# Altium PCB NewBoard.PcbDoc (part 2 of 3) (continued)
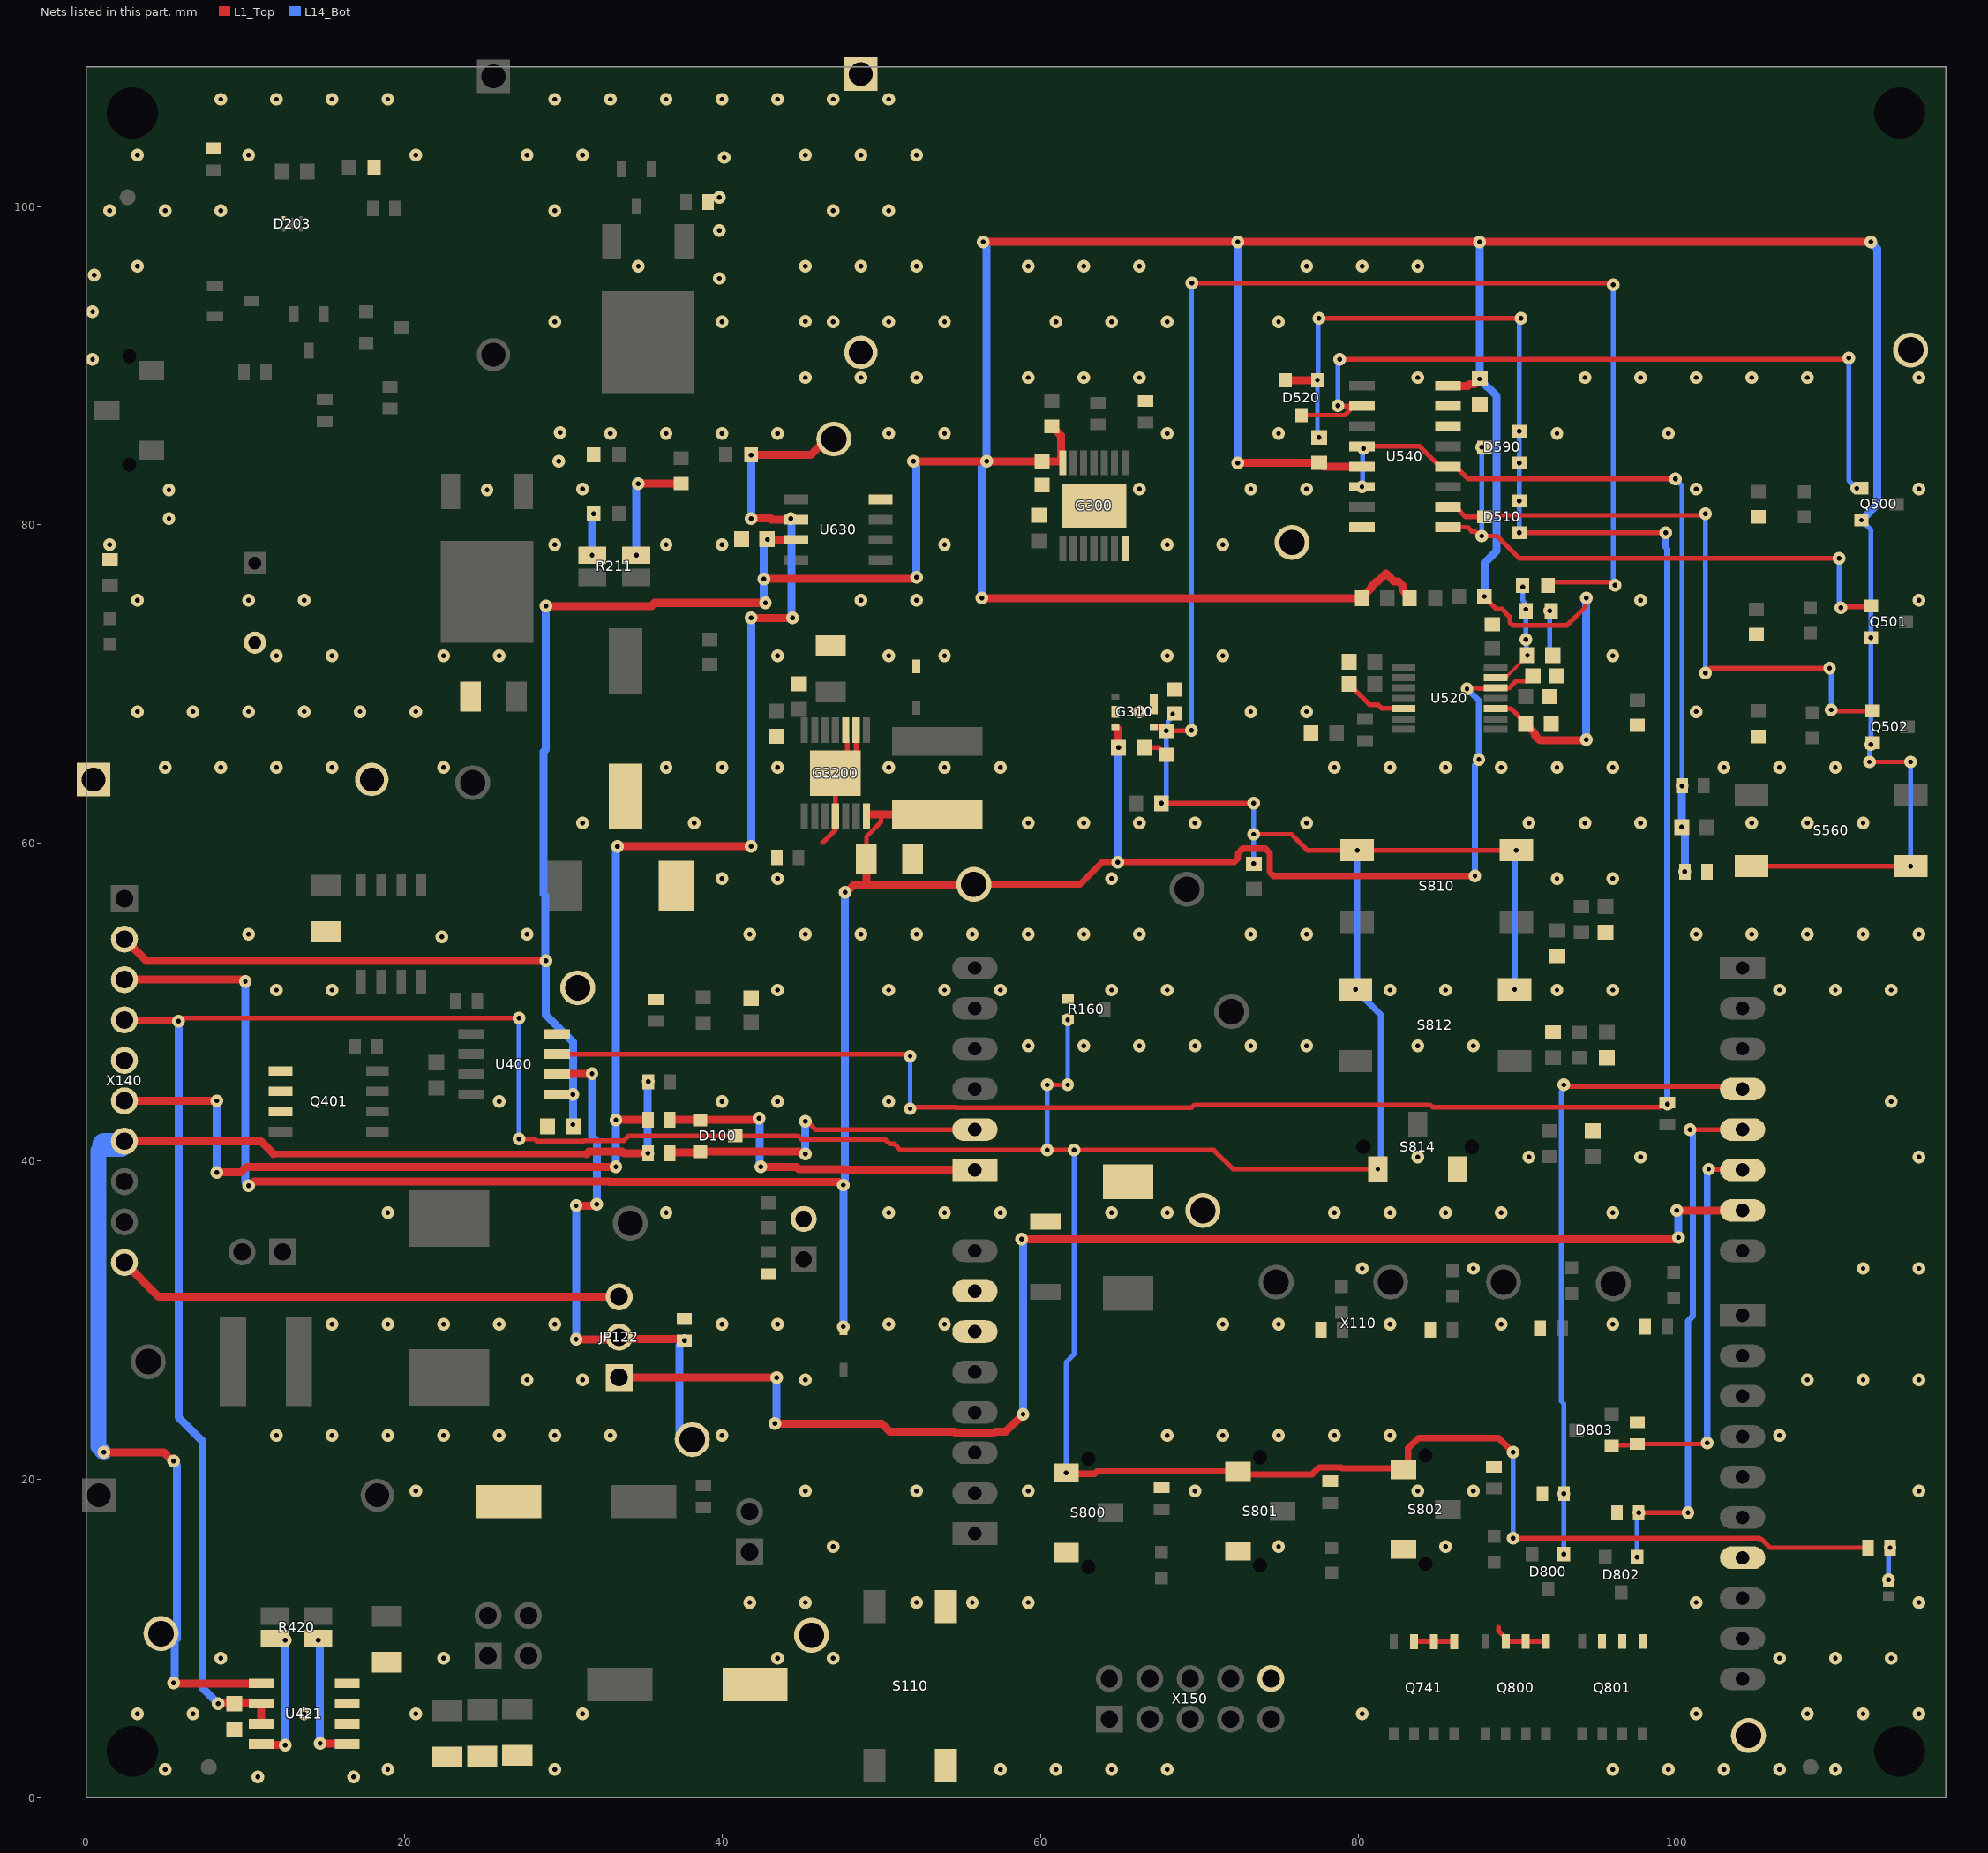
[diagram p2: the nets of this part, all layers, seen from the top]
## Part data (continued)
U421: library part 687895, "Precision bidirectional current sense amplifier", Manufacturer=STMicroelectronics, Package Description="SOIC,1.27mm pitch;8 pin,3.90mm W X 4.90mm L X 1.75mm H body", Supplier Part Number 1=3864633RL, Temperature max=150, Temperature min=-40, Temperature Range=Automotive, Voltage DC (max)=na, Alternate View=No, Application="Power Electronics", Article Number=687895, Automotive Qualified="AEC Q100", Combined Parameters=Res.:-;Fmax:-, ComponentLink1Description="Vendor WebSite", ComponentLink1URL=http://www.st.com, ComponentLink2Description=Datasheet, ComponentLink2URL=http://webnetprod.muc.infineon.com/PCBPortal_Prod/WorkFlows/AltiumComponent/StandardDocumentation?Versionid=687896, ComponentStatus=Released, Legacy DeviceID=ST_TSC2010HYDT, Manufacturer Order Number=TSC2010HYDT, Multiple Parts=No, PackageReference=SOIC-8, Part Type="Analog Parts", PLMStatus=Active, QuickPick="Amplifier / SOIC-8", RoHS Compliant=Y, Second Source allowed=Yes, Supplier 1=Farnell, Supplier 2=DigiKey, Supplier 3=Mouser, Supplier Part Number 2=497-TSC2010HYDTCT-ND, Supplier Part Number 3=511-TSC2010HYDT, Symbole Type="High Temperature, High Voltage, Precision, Bidirectional Current Sense Amplifier", Type=Amplifier, Version Number=V00
U520: library part 409035, "Quad Differential Comparator", Legacy PartNumber=IC02600564, Manufacturer="Texas Instruments", Supplier Part Number 1=2436009, Temperature max=0, Temperature Range=Military, Voltage DC (max)=na, Alternate View=Yes, Article Number=409035, Automotive Qualified=No, Combined Parameters=Res.:-;Fmax:-, ComponentLink1Description="Vendor WebSite", ComponentLink1URL=http://www.ti.com, ComponentLink2Description=Datasheet, ComponentLink2URL=http://webnetprod.muc.infineon.com/PCBPortal_Prod/WorkFlows/AltiumComponent/StandardDocumentation?Versionid=409036, ComponentStatus=Released, Legacy DeviceID=TI_LM339, Manufacturer Order Number=LM339PWR, PackageReference="TSSOP-14 (PW)", Part Type="Analog Parts", PLMStatus=Active, QuickPick="TSSOP-14 (PW)", Second Source allowed=Yes, Supplier 1=Farnell, Supplier 2=DigiKey, Supplier 3=Mouser, Supplier Part Number 2=296-6607-2-ND, Supplier Part Number 3=595-LM339PWR, Symbol Type="Quad Differential Comparator", Temperature min=0, Version Number=V01
U540: library part 648079, "Quad R/S latch with 3-state outputs", Manufacturer=Nexperia, Package Description="SOIC,1.27mm pitch;16 pin,3.90mm W X 9.90mm L X 1.75mm H body", Temperature max=85, Temperature min=-40, Temperature Range=Industrial, Voltage DC (max)=na, Alternate View=No, Article Number=648079, Automotive Qualified=No, Combined Parameters="- Digital;Vdc min/max:3V/15V;Iout:2.4mA;Fmax:-", ComponentLink1Description="Vendor WebSite", ComponentLink1URL=http://www.nexperia.com, ComponentLink2Description=Datasheet, ComponentLink2URL=http://webnetprod.muc.infineon.com/PCBPortal_Prod/WorkFlows/AltiumComponent/StandardDocumentation?Versionid=648080, ComponentStatus=Released, Legacy DeviceID=NEX_HEF4043BT,653, Manufacturer Order Number=HEF4043BT,653, Multiple Parts=No, PackageReference=SO-16, Part Type="Integrated Circuit", PLMStatus=Active, QuickPick=SO-16, RoHS Compliant=Y, Second Source allowed=Yes, Supplier 1=Farnell, Supplier 2=DigiKey, Supplier 3=Mouser, Supplier Part Number 2=1727-1799-1-ND, Supplier Part Number 3=771-HEF4043BT653, Symbol Type="Quad R/S latch with 3-state outputs", Type=Digital, Version Number=V00
U630: library part 699374, Manufacturer="Texas Instruments", Package Description="SOIC,1.27mm pitch;8 pin,3.895mm W X 4.905mm L X 1.75mm H body", Supplier Part Number 1=3117357, Temperature max=125, Temperature min=-40, Temperature Range=Automotive, Voltage DC (max)=na, Alternate View=Yes, Application="Power Electronics", Article Number=699374, Automotive Qualified=No, Combined Parameters=Res.:-;Fmax:10MHz, ComponentLink1Description="Vendor WebSite", ComponentLink1URL=http://www.ti.com, ComponentLink2Description=Datasheet, ComponentLink2URL=http://webnetprod.muc.infineon.com/PCBPortal_Prod/WorkFlows/AltiumComponent/StandardDocumentation?Versionid=699375, ComponentStatus=Released, Legacy DeviceID=TI_OPA197IDR, Manufacturer Order Number=OPA197IDR, Multiple Parts=Yes, PackageReference=SOIC, Part Type="Analog Parts", PLMStatus=Active, QuickPick="Amplifier / SOIC", RoHS Compliant=Y, Second Source allowed=Yes, Supplier 1=Farnell, Supplier 2=DigiKey, Supplier 3=Mouser, Supplier Part Number 2=296-43866-1-ND, Supplier Part Number 3=595-OPA197IDR, Symbol Type="High-Precision, Low-Noise, Rail-to-Rail Output, JFET Op Amp", Type=Amplifier, Version Number=V00
X100 X102: library part 377341, "Banana Socket, Red, 17.5mm Pitch", Legacy PartNumber=CON01500041, Manufacturer="Hirschmann Test & Measurement", Manufacturer Component Status=Active, Package Description="Banana Jack, 2 pins, 17.5mm Pitch, 21mm L X 7.5mm W X 10.5mm H body", Supplier Part Number 1=497332, Temperature max=85, Temperature min=-25, Temperature Range=Military, Voltage DC (max)=na, Article Number=377341, Combined Parameters="Board-to-Cable Socket (female);2x1;Mounting:THT;Orient:90° (right angle);Shielded:No", ComponentLink1Description="Vendor WebSite", ComponentLink1URL=http://www.sks-kontakt.de/, ComponentLink2Description=Datasheet, ComponentLink2URL=http://webnetprod.muc.infineon.com/PCBPortal_Prod/WorkFlows/AltiumComponent/StandardDocumentation?Versionid=377342, ComponentStatus=Released, Legacy DeviceID="HTM_973 582- 101", Manufacturer Order Number="973 582-101", Part Type=Connector, PLMStatus=Active, QuickPick="90° (right angle) / Board-to-Cable", RoHS Compliant=N, Second Source allowed=Yes, Style=Banana, Supplier 1=Farnell, Supplier 2=DigiKey, Supplier 3=Mouser, Supplier Part Number 3=845-973582101, Symbol Type="Banana Socket 2 Pins", Type=Board-to-Cable, Version Number=V01
X101 X103: library part 377401, "Banana Socket, black, 17.5mm Pitch", Legacy PartNumber=CON01500045, Manufacturer="Hirschmann Test & Measurement", Manufacturer Component Status=Active, Package Description="Banana Jack, 2 pins, 17.5mm Pitch, 21mm L X 7.5mm W X 10.5mm H body", Supplier Part Number 1=497344, Temperature max=85, Temperature min=-25, Temperature Range=Military, Voltage DC (max)=na, Article Number=377401, Automotive Qualified=No, Combined Parameters="Board-to-Cable Socket (female);-x-;Mounting:THT;Orient:90° (right angle);Shielded:No", ComponentLink1Description="Vendor WebSite", ComponentLink1URL=http://www.sks-kontakt.de/, ComponentLink2Description=Datasheet, ComponentLink2URL=http://webnetprod.muc.infineon.com/PCBPortal_Prod/WorkFlows/AltiumComponent/StandardDocumentation?Versionid=377402, ComponentStatus=Released, Legacy DeviceID="HTM_973 582- 100", Manufacturer Order Number="973 582-100", Part Type=Connector, PLMStatus=Active, QuickPick="90° (right angle) / Board-to-Cable", RoHS Compliant=N, Second Source allowed=Yes, Style=Banana, Supplier 1=Farnell, Supplier 2=DigiKey, Supplier 3=Mouser, Supplier Part Number 3=845-973582100, Symbol Type="Banana Socket 2 Pins", Type=Board-to-Cable, Version Number=V01
X105: library part 433601, Legacy PartNumber=CON01500959, Manufacturer="Infineon Technologies", Package Description="Solder Bridge 2 Pins, 0.7X1.299mm Pad, 1.6mm L X 1.2mm W body", Temperature max=0, Temperature Range=Military, Voltage DC (max)=na, Alternate View=Yes, Article Number=433601, Automotive Qualified=No, Combined Parameters="- None (onboard);2x1;Mounting:SMT;Orient:None (onboard);Shielded:No", ComponentLink1Description="Vendor WebSite", ComponentLink1URL=https://www.infineon.com/, ComponentLink2Description=Datasheet, ComponentStatus=Released, Legacy DeviceID="IFX_Solder Jumper 2 Pins", Manufacturer Order Number="Solder Jumper 2 Pins", Multiple Parts=No, Part Type=Connector, PLMStatus=Active, QuickPick="None (onboard)", RoHS Compliant=N, Second Source allowed=Yes, Style="Not Applicable", Supplier 1=Farnell, Supplier 2=DigiKey, Supplier 3=Mouser, Symbol Type="Solder Jumper 2 Pins", Temperature min=0, Version Number=V01
X110: library part 644888, "Arduino Uno is a microcontroller board based on the ATmega328P", Manufacturer="Infineon Technologies", Package Description="Arduino-Uno, THT, 32 Pin, 68.58 mm L X 53.34 mm W X 8.64 mm H body", Temperature max=85, Temperature min=-40, Temperature Range=Industrial, Voltage DC (max)=na, Alternate View=Yes, Article Number=644888, Automotive Qualified=No, Combined Parameters="Board-to-Board Socket (female);-x-;Mounting:THT;Orient:0° (vertical);Shielded:-", ComponentLink1Description="Vendor WebSite", ComponentLink1URL=https://www.infineon.com/, ComponentLink2Description=Datasheet, ComponentStatus=Released, Legacy DeviceID=Infineon_Arduino-Uno, Manufacturer Order Number=Arduino-Uno, Multiple Parts=Yes, PackageReference=THT, Part Type=Connector, PLMStatus=Active, QuickPick="0° (vertical) / Board-to-Board", RoHS Compliant=N, Second Source allowed=Yes, Supplier 1=Farnell, Supplier 2=DigiKey, Supplier 3=Mouser, Symbol Type="Arduino Uno is a microcontroller board based on the ATmega328P", Type=Board-to-Board, Version Number=V01
X140: library part 382944, "Through hole .025 SQ Post Header, 2.54mm pitch, 10 pin, vertical, single row", Legacy PartNumber=CON01500578, Manufacturer=Samtec, Package Description="Header,vertical,2.54mm pitch;0.64mm lead width,10 pins,1 row,10 pins per row,25.40mm L X 2.54mm W X 8.636mm H body", Supplier Part Number 1=2035612, Temperature max=125, Temperature min=-55, Temperature Range=Military, Voltage DC (max)=na, Article Number=382944, Automotive Qualified=No, Combined Parameters="Board-to-Board Header (male);10x1;Mounting:THT;Orient:0° (vertical);Shielded:No", ComponentLink1Description="Vendor WebSite", ComponentLink1URL=http://www.samtec.com/, ComponentLink2Description=Datasheet, ComponentLink2URL=http://webnetprod.muc.infineon.com/PCBPortal_Prod/WorkFlows/AltiumComponent/StandardDocumentation?Versionid=382945, ComponentStatus=Released, Legacy DeviceID=SAM_TSW-110-07-L-S, Manufacturer Order Number=TSW-110-07-L-S, Part Type=Connector, PLMStatus=Active, QuickPick="0° (vertical) / Board-to-Board", RoHS Compliant=Y, Second Source allowed=Yes, Style=Strip, Supplier 1=Farnell, Supplier 2=DigiKey, Supplier 3=Mouser, Supplier Part Number 2=SAM1031-10-ND, Symbol Type="Header 10 pins", Type=Board-to-Board, Version Number=V01
X150: library part 638630, "WR-BHD Male Box Header, 2.54mm pitch, 10 pin, Vertical, Double row", Manufacturer="Wurth Elektronik", Package Description="Connector, THT, 2.54mm Pitch; 10 Pins, 9.10 mm L X 20.36 mm W X 9.25 mm H body", Supplier Part Number 1=1642019, Temperature max=105, Temperature min=-40, Temperature Range=Industrial, Voltage DC (max)=na, Article Number=638630, Automotive Qualified=No, Combined Parameters="Board-to-Board/Cable Header (male);5x2;Mounting:THT;Orient:0° (vertical);Shielded:No", ComponentLink1Description="Vendor WebSite", ComponentLink1URL=http://www.we-online.com, ComponentLink2Description=Datasheet, ComponentLink2URL=http://webnetprod.muc.infineon.com/PCBPortal_Prod/WorkFlows/AltiumComponent/StandardDocumentation?Versionid=638631, ComponentStatus=Released, Legacy DeviceID=WE_61201021621, Manufacturer Order Number=61201021621, PackageReference=THT, Part Type=Connector, PLMStatus=Active, QuickPick="0° (vertical) / Board-to-Board/Cable", RoHS Compliant=Y, Second Source allowed=Yes, Style=Strip, Supplier 1=Farnell, Supplier 2=DigiKey, Supplier 3=Mouser, Supplier Part Number 2=732-2094-ND, Supplier Part Number 3=710-61201021621, Type=Board-to-Board/Cable, Version Number=V01
X400: library part 614137, "Through Hole .025'' SQ Post Socket, 2.54mm pitch, 2 Pins", Manufacturer=Samtec, Package Description="Header, THT, 2.54mm pitch, 2 pin, 5.59mm L X 2.41mm W X 8.64mm H body", Supplier Part Number 1=200-SSW10201GS, Temperature max=125, Temperature min=-55, Temperature Range=Military, Voltage DC (max)=na, Application="Standard Interface", Article Number=614137, Automotive Qualified=No, Combined Parameters="Board-to-Board/Cable Socket (female);2x1;Mounting:THT;Orient:0° (vertical);Shielded:Yes", ComponentLink1Description="Vendor WebSite", ComponentLink1URL=http://www.samtec.com/, ComponentLink2Description=Datasheet, ComponentLink2URL=http://webnetprod.muc.infineon.com/PCBPortal_Prod/WorkFlows/AltiumComponent/StandardDocumentation?Versionid=614138, ComponentStatus=Released, Legacy DeviceID=SAM_SSW-102-01-G-S, Manufacturer Order Number=SSW-102-01-G-S, PackageReference=THT, Part Type=Connector, PLMStatus=Active, QuickPick="0° (vertical) / Board-to-Board/Cable", RoHS Compliant=Y, Second Source allowed=Yes, Style=Strip, Supplier 1=Farnell, Supplier 2=DigiKey, Supplier 3=Mouser, Supplier Part Number 2=SAM1209-02-ND, Supplier Part Number 3=1668331, Type=Board-to-Board/Cable, Version Number=V01

## Via types
v1: diameter 0.8, hole 0.3, L1_Top to L14_Bot, tented both sides, 691 vias
v2: diameter 0.8, hole 0.2, L1_Top to L14_Bot, tented both sides, 2 vias

## Nets (pads, with @x,y where several pads share a name; then routed paths per layer and width w, separated by ;. In a path a pad name is that pad's centre, name@x,y a point inside that pad or via, vN(x,y) a via of type N, cw(c..) or ccw(c..) an arc to the next point about the centre after c; other vN are vias at no path point)
3V3: C311.2 C312.2 C401.2 D100.3 G310.4 R160.3 R170.2 R500.2 R504.2 R532.2 S800.1 S801.1 S802.1 S810.3 S810.4 S812.3 S812.4 S814.1 U421.6 U421.7 X140.4 | length 366.4
  L1_Top w0.3: v1(5.8,48.8) 5.935,48.8 6.135,49 v1(27.2,49) ; v1(27.201,41.405) 28.184,41.405 28.339,41.25 31.261,41.25 31.311,41.3 33.8,41.3 34.1,41.6 D100.3@40.8,41.6 44.752,41.6 44.982,41.37 50.23,41.37 50.5,41.1 50.8,41.1 51.2,40.7 v1(60.4,40.7) v1(62.1,40.7) 70.893,40.7 72.093,39.5 v1(81.2,39.5) ; v1(60.4,44.8) v1(61.7,44.8) ; G310.4@67.1,67.3 67.65,67.3 v1(67.9,67.05) 69.45,67.05 v1(69.487,67.087) ; v1(67.6,62.5) v1(73.4,62.5) ; v1(68.3,68.1) 68.35,68.1 C312.2@68.4,68.15 ; v1(69.5,95.2) 95.9,95.2 v1(96,95.1) ; v1(73.4,60.55) 75.768,60.55 76.768,59.55 v1(89.9,59.55) ; v1(89.7,16.3) 105.2,16.3 105.271,16.229 105.322,16.229 105.851,15.7 R170.2@112.02,15.7 ; R504.2@91.9,76.2 92.1,76.4 95.765,76.4 95.965,76.2 v1(96.1,76.2)
  L1_Top w0.4: v1(61.6,20.4) 61.65,20.35 63.394,20.35 63.544,20.5 S801.1@72.4,20.5 72.6,20.3 77.048,20.3 77.498,20.75 78.902,20.75 78.952,20.7 82.7,20.7 S802.1@82.8,20.6 83.1,20.9 83.1,21.956 83.744,22.6 88.8,22.6 v1(89.7,21.7)
  L1_Top w0.5: X140.4@2.4,48.88 2.44,48.84 5.76,48.84 v1(5.8,48.8) ; v1(8.3,5.9) C401.2@9.3,5.9 U421.6@11,5.9 U421.7@11,4.63
  L14_Bot w0.3: v1(27.201,41.405) v1(27.2,49) ; v1(60.4,40.7) v1(60.4,44.8) ; v1(61.6,20.4) 61.6,27.363 62.1,27.863 v1(62.1,40.7) ; v1(61.7,44.8) v1(61.7,48.9) ; v1(67.6,62.5) 67.9,62.8 v1(67.9,67.05) 67.996,67.146 67.996,67.66 68.3,67.965 v1(68.3,68.1) ; v1(69.487,67.087) 69.487,95.187 v1(69.5,95.2) ; v1(73.4,58.7) 73.4,59.6 v1(73.4,62.5) ; v1(89.7,16.3) v1(89.7,21.7) ; v1(96,95.1) 96,76.3 v1(96.1,76.2)
  L14_Bot w0.4: v1(79.9,59.55) 79.9,50.9 v1(79.8,50.8) 81.4,49.2 81.4,39.7 v1(81.2,39.5) ; v1(89.8,50.8) 89.8,59.45 v1(89.9,59.55)
  L14_Bot w0.5: v1(5.8,48.8) 5.8,23.9 7.3,22.4 7.3,6.9 v1(8.3,5.9)
5V: C310.2 C324.2 C522.2 D112.2 G310.3 G3200.7 L320.2 TP320.1 U520.5 X140.3 | length 161.8
  L1_Top w0.3: C324.2@49.05,59 49.05,60.4 49.966,61.316 49.966,61.8 ; v1@86.85,69.75 U520.5@88.1,69.7 ; U520.5@88.6,69.75 89.464,69.75 89.889,70.175 90.625,70.175 C522.2@90.95,70.5
  L1_Top w0.4: TP320.1@55.8,57.4 62.478,57.4 63.878,58.8 v1(64.856,58.8) 72.166,58.8 72.4,59.034 72.4,59.357 72.693,59.65 74.107,59.65 74.4,59.357 74.4,58.164 74.634,57.93 v1(87.3,57.93)
  L1_Top w0.5: X140.3@2.4,51.42 9.88,51.42 v1(10,51.3) ; v1(10.2,38.45) 10.281,38.45 10.556,38.725 32.881,38.725 32.906,38.7 47.319,38.7 47.519,38.5 v1(47.6,38.5) ; D112.2@47.6,29.5 v1(47.6,29.6) ; v1(47.7,56.895) 47.781,56.895 48.286,57.4 49.035,57.4 ; C324.2@49.05,59 49.05,57.415 49.035,57.4 ; G3200.7@49.195,61.8 49.966,61.8 L320.2@53.5,61.8 ; TP320.1@55.8,57.4 49.035,57.4 ; G310.3@64.7,67.3 64.9,67.1 v1(64.9,66)
  L14_Bot w0.4: v1(86.8,69.7) 87.55,68.95 87.55,65.142 87.3,64.892 v1(87.3,57.93)
  L14_Bot w0.5: v1(10,51.3) 10,38.7 10.2,38.5 v1(10.2,38.45) ; v1(47.6,29.6) v1(47.6,38.5) 47.657,38.557 47.657,38.77 47.7,38.812 v1(47.7,56.895) ; v1(64.856,58.8) 64.878,58.822 64.878,65.978 v1(64.9,66)
  other v1: 87.55,65.25
12V: C301.2 C400.2 C520.1 C540.2 C630.2 G300.14 Q500.2 Q501.2 Q502.2 R301.1 R501.2 R503.2 R509.2 R527.2 S560.3 S560.4 U400.1 U520.3 U540.5 U540.16 U630.7 X140.2 | length 339.3
  L1_Top w0.3: v1(87.9,75.5) 87.9,75.45 88.624,74.726 88.986,74.726 89.5,74.211 89.5,73.864 89.689,73.675 93.075,73.675 94.249,74.849 94.249,75.349 v1(94.3,75.4) ; U520.3@88.6,68.45 89.55,68.45 89.575,68.425 89.6,68.425 C520.1@90.5,67.525 ; S560.3@104.7,58.55 v1(114.7,58.55) ; v1(112.1,65.1) v1(114.7,65.1)
  L1_Top w0.5: X140.2@2.4,53.96 3.76,52.6 v1(28.9,52.6) ; v1(28.9,74.9) 35.537,74.9 35.737,75.1 v1(42.7,75.1) ; v1(42.6,76.6) 52.1,76.6 v1(52.2,76.7) ; v1(42.818,79.082) 44.632,79.082 U630.7@44.65,79.065 ; v1(52,84) v1(56.6,84) C301.2@60.1,84 61.275,84 61.275,85.625 60.925,85.975 60.925,86.025 60.75,86.2 R301.1@60.7,86.2 ; v1(56.3,75.4) R527.2@80.2,75.4 80.2,75.45 80.8,76.05 80.8,76.128 81.122,76.45 81.2,76.45 81.7,76.95 82.2,76.45 82.478,76.45 82.8,76.128 82.8,75.85 83.2,75.45 R501.2@83.2,75.4 ; v1(56.4,97.8) v1(72.4,97.8) v1(87.6,97.8) v1(112.2,97.8) ; v1(72.4,83.9) R503.2@77.5,83.9 ; R503.2@77.785,83.665 U540.5@80.2,83.665 ; U540.16@85.6,88.745 86.85,88.745 86.955,88.85 87.275,88.85 v1(87.6,89.175) ; C520.1@90.5,67.525 C520.1@90.5,67.5 90.5,67.475 91.075,66.9 91.075,66.772 91.397,66.45 94.25,66.45 v1(94.3,66.5)
  L14_Bot w0.3: v1(111.6,80.3) 111.6,80.298 112.2,79.698 v1(112.2,72.9) v1(112.2,66.2) 112.1,66.1 v1(112.1,65.1) ; v1(114.7,58.55) v1(114.7,65.1)
  L14_Bot w0.5: v1(28.9,74.9) 28.9,65.888 28.75,65.738 28.75,56.806 28.85,56.706 28.85,52.65 v1(28.9,52.6) 28.9,49.191 30.6,47.491 v1(30.6,44.2) v1(30.6,42.3) ; v1(42.7,75.1) 42.643,75.157 42.643,75.407 42.6,75.45 42.6,78.865 v1(42.818,79.082) ; v1(52,84) 52.2,83.8 v1(52.2,76.7) ; v1(56.3,75.4) 56.3,83.619 56.6,83.919 v1(56.6,84) 56.6,97.6 v1(56.4,97.8) ; v1(72.4,83.9) v1(72.4,97.8) ; v1(87.6,97.8) v1(87.6,89.175) 88.67,88.105 88.67,78.37 87.9,77.6 v1(87.9,75.5) ; v1(94.3,66.5) v1(94.3,75.4) ; v1(111.6,80.3) 112.6,81.3 112.6,97.357 112.2,97.757 v1(112.2,97.8)
\Cntrl1: D800.1 R100.1 X110.4D | length 41
  L1_Top w0.3: v1(92.9,44.8) 92.996,44.704 103.958,44.704 X110.4D@104.13,44.532
  L14_Bot w0.3: v1(92.9,15.3) v1(92.9,19.1) 92.9,24.752 92.73,24.922 92.73,44.374 92.804,44.449 92.804,44.704 v1(92.9,44.8)
\Cntrl2: D802.1 R101.1 X110.5D | length 33.5
  L1_Top w0.3: v1(97.6,17.9) v1(100.7,17.9) ; v1(100.815,41.992) X110.5D@104.13,41.992
  L14_Bot w0.3: v1(97.5,15.1) 97.5,17.8 v1(97.6,17.9)
  L14_Bot w0.4: v1(100.7,17.9) 100.7,29.965 101,30.265 101,41.672 100.815,41.857 v1(100.815,41.992)
\Cntrl3: D803.1 R102.1 X110.6D | length 25.5
  L1_Top w0.3: D803.1@95.9,22.1 95.96,22.16 97.44,22.16 R102.1@97.5,22.22 101.82,22.22 v1(101.9,22.3) ; v1(102,39.5) 102.024,39.476 104.106,39.476 X110.6D@104.13,39.452
  L14_Bot w0.3: v1@101.9,39.4 v1(102,39.5)
  L14_Bot w0.4: v1(101.9,22.3) v1@101.9,39.4
\Flag_Overcurr: D520.3 Q500.1 U540.2 | length 48.4
  L1_Top w0.3: D520.3@76.4,86.9 79.125,86.9 U540.2@79.7,87.475 ; v1(78.7,87.5) 78.725,87.475 U540.2@79.7,87.475 ; v1(78.8,90.4) 110.7,90.4 v1(110.8,90.5) ; U540.2@80.2,87.475 U540.2@79.7,87.475
  L14_Bot w0.3: v1(78.7,87.5) 78.7,90.3 v1(78.8,90.4) ; v1(110.8,90.5) 110.8,82.8 v1(111.3,82.3)
\Flag_Overtemp_Ext: D510.3 Q502.1 U540.10 | length 39.8
  L1_Top w0.3: U540.10@85.6,81.125 86.1,81.125 86.725,80.5 D510.3@87.9,80.5 88.004,80.604 101.704,80.604 v1(101.8,80.7) ; v1(101.8,70.7) 102.1,71 v1(109.6,71) ; v1(109.7,68.372) 109.7,68.3 Q502.1@112.3,68.3
  L14_Bot w0.3: v1(101.8,70.7) v1(101.8,80.7) ; v1(109.6,71) 109.7,70.9 v1(109.7,68.372)
\Flag_Undervolt: D590.3 Q501.1 U540.9 | length 36.2
  L1_Top w0.3: U540.9@85.6,79.855 86.845,79.855 87.1,79.6 87.294,79.6 87.594,79.3 v1(87.72,79.3) ; v1(87.72,84.9) D590.3@87.9,84.9 ; v1@87.808,79.3 88.7,79.3 90.1,77.9 v1(110.2,77.9) ; v1(110.3,74.8) 110.35,74.85 112.15,74.85 Q501.1@112.2,74.9
  L14_Bot w0.3: v1(87.72,79.3) v1(87.72,84.9) ; v1(110.2,77.9) 110.2,74.9 v1(110.3,74.8)
\Shutdown: D510.1 D510.2 D520.1 D520.2 D590.1 D590.2 R112.1 R503.1 U400.3 | length 154.8
  L1_Top w0.3: U400.3@29.6,46.735 51.665,46.735 v1(51.8,46.6) ; v1(51.8,43.3) 51.935,43.3 52.035,43.4 54.649,43.4 54.678,43.371 69.492,43.371 69.671,43.55 84.486,43.55 84.636,43.4 98.975,43.4 99.175,43.6 v1(99.4,43.6) R112.1@99.4,43.69 ; v1(77.5,93) v1(90.2,93) ; v1(90.1,79.5) 99.296,79.5 v1(99.3,79.504) ; R112.1@99.4,43.551 R112.1@99.661,43.551
  L1_Top w0.5: D520.2@75.4,89.1 v1(77.4,89.1)
  L14_Bot w0.3: v1(51.8,43.3) v1(51.8,46.6) ; v1(77.5,85.5) 77.4,85.6 v1(77.4,89.1) 77.45,89.15 77.45,92.95 v1(77.5,93) ; v1(90.1,79.5) v1(90.1,81.5) v1(90.1,83.9) v1(90.1,85.9) 90.1,92.9 v1(90.2,93)
  L14_Bot w0.4: v1(99.3,79.504) 99.3,78.604 99.4,78.504 v1(99.4,43.6)
AREF: R170.1 X105.2 | length 2.2
  L1_Top w0.3: X105.2@113.3,13.5 v1(113.3,13.7)
  L14_Bot w0.3: v1(113.3,13.7) 113.3,15.6 v1(113.4,15.7)
Buck_Cntrl: JP122.2 R122.1 TP400.1 U400.2 | length 34.3
  L1_Top w0.5: U400.2@29.6,45.465 29.617,45.482 31.782,45.482 v1(31.8,45.5) ; v1(30.8,28.8) 33.36,28.8 JP122.2@33.5,28.94 33.61,28.83 37.49,28.83 v1(37.6,28.72) ; v1(30.8,37.2) 31.919,37.2 32.019,37.3 v1(32.1,37.3) ; TP400.1@37.3,22.6 38,22.6 TP400.1@38.1,22.5
  L14_Bot w0.5: v1(30.8,28.8) v1(30.8,37.2) ; v1(31.8,45.5) 31.8,41.55 32.1,41.25 v1(32.1,37.3) ; TP400.1@37.3,22.6 37.3,28.42 v1(37.6,28.72)
Buck_Cntrl_Arduino: JP122.1 X110.7D | length 87.4
  L1_Top w0.5: JP122.1@33.5,26.4 v1(43.4,26.4) ; v1(43.3,23.5) 50.021,23.5 50.521,23 54.587,23 54.636,22.951 57.104,22.951 57.153,23 57.8,23 v1(58.9,24.1) ; v1(58.8,35.1) 100,35.1 v1(100.1,35.2) ; v1(100,36.9) 100.006,36.906 104.124,36.906 X110.7D@104.13,36.912
  L14_Bot w0.5: v1(43.3,23.5) 43.4,23.6 v1(43.4,26.4) ; v1(58.8,35.1) 58.9,35 v1(58.9,24.1) ; v1(100,36.9) 100.1,36.8 v1(100.1,35.2)
Buck_Cntrl_Ext: JP122.3 X140.10 | length 32
  L1_Top w0.5: X140.10@2.4,33.64 4.56,31.48 JP122.3@33.5,31.48
Curr_In+: R211.4 R631.1 | length 2.7
  L1_Top w0.5: v1(31.8,78.1) R211.4@31.825,78.1
  L14_Bot w0.5: v1(31.8,78.1) 31.8,80.6 v1(31.9,80.7)
Curr_In-: R211.3 R633.1 | length 7.3
  L1_Top w0.5: R211.3@34.575,78.1 v1(34.579,78.104) ; v1(34.7,82.6) R633.1@37.4,82.6
  L14_Bot w0.5: v1(34.579,78.104) 34.579,82.479 v1(34.7,82.6)
Curr_Thresh: C505.2 R504.1 R505.2 U520.6 | length 7.2
  L1_Top w0.2: U520.6@89.25,70.425 C505.2@90.6,71.775
  L1_Top w0.3: U520.6@88.6,70.4 89.2,70.4 89.225,70.425 U520.6@89.25,70.425 ; v1(90.3,76.1) R504.1@90.3,76.2 ; C505.2@90.6,71.775 v1(90.6,71.8)
  L14_Bot w0.3: v1(90.3,76.1) 90.3,75.25 90.404,75.146 90.404,74.796 v1(90.5,74.7) v1(90.5,72.8) 90.528,72.772 90.528,71.778 90.55,71.8 v1(90.6,71.8)
Fault_Reset: C500.2 R507.1 R508.1 U540.4 U540.6 U540.12 | length 48.1
  L1_Top w0.3: U540.4@80.2,84.935 83.83,84.935 85.1,83.665 U540.12@85.6,83.665 86.1,83.665 86.865,82.9 v1(99.9,82.9)
  L1_Top w0.5: U540.4@80.2,84.935 80.3,84.835 v1(80.3,84.8) ; v1(100.498,58.2) R508.1@100.51,58.2
  L14_Bot w0.3: v1(80.2,82.395) 80.25,82.445 80.25,84.75 v1(80.3,84.8) ; v1(99.9,82.9) 100.32,82.48 v1(100.32,63.6)
  L14_Bot w0.5: v1(100.32,63.6) 100.3,63.58 v1(100.3,61) 100.498,60.802 v1(100.498,58.2)
GND: C210.2 C212.2 C213.1 C220.2 C221.1 C300.1 C301.1 C310.1 C311.1 C312.1 C320.1 C321.1 C324.1 C400.1 C401.1 C404.1 C505.1 C506.1 C520.2 C521.1 C522.1 C530.1 C533.1 C540.1 C630.1 C700.1 C701.2 C710.1 C711.1 C712.1 C715.2 C811.1 C813.1 C814.1 D203.1 D211.2 D320.2 D730.2 D731.2 G300.7 G300.15 G310.2 G310.5 G3200.4 G3200.9 G3200.10 G3200.15 Q401.1 Q401.2 Q401.3 Q741.1 Q741.2 Q741.3 Q800.1 Q800.2 Q800.3 Q801.1 Q801.2 Q801.3 R100.2 R101.2 R102.2 R122.2 R160.1 R200.1 R209.1 R210.2 R212.2 R221.2 R303.1 R320.2 R502.1 R505.1 R508.2 R511.1 R551.2 R552.1 R553.1 R632.2 R722.2 R800.2 R801.2 R802.2 R803.2 R804.2 R805.2 R806.2 R810.2 R812.2 S110.1 S110.2 S800.3 S801.3 S802.3 S814.3 TP100.1 TP101.1 TP102.1 TP103.1 TP104.1 TP105.1 U400.4 U421.2 U421.3 U421.4 U520.12 U540.8 U540.14 U540.15 U630.4 X101.1 X101.2 X103.1 X103.2 X110.6A X110.7A X110.7C X140.5 X150.10 X400.2 | length 25.8
  L1_Top w0.3: 46.3,60.032 47.1,60.832 G3200.4@47.1,61.7 G3200.15@47.1,64.4 ; G3200.10@47.75,67.1 47.8,67.1 47.8,66.636 47.85,66.586 47.85,65.15 G3200.15@47.1,64.4 ; G3200.9@48.4,67.1 48.4,65.675 47.125,64.4 G3200.15@47.1,64.4 ; C310.1@66.5,66 67.425,66 67.875,65.55 C311.1@67.9,65.55 ; C530.1@79.4,70 79.4,69.975 80.675,68.7 81.212,68.7 81.437,68.475 82.775,68.475 U520.12@82.8,68.45 ; Q741.3@83.465,9.794 Q741.2@84.735,9.794 Q741.1@86.005,9.794 ; 88.792,10.706 88.792,10.45 89.23,10.013 Q800.3@89.23,9.8 Q800.2@90.5,9.8 Q800.1@91.77,9.8 ; R505.1@92,74.6 R505.1@92.1,74.6
  L14_Bot w0.3: v1@92,74.6 92,72 92.2,71.8
  other v1: 10.8,1.3 16.8,1.3 4.96,1.76 18.96,1.76 29.46,1.76 57.46,1.76 60.96,1.76 64.46,1.76 67.96,1.76 95.96,1.76 99.46,1.76 102.96,1.76 106.46,1.76 109.96,1.76 3.21,5.26 6.71,5.26 13.71,5.26 20.71,5.26 31.21,5.26 80.21,5.26 101.21,5.26 108.21,5.26 111.71,5.26 115.21,5.26 8.46,8.76 22.46,8.76 43.46,8.76 46.96,8.76 106.46,8.76 109.96,8.76 113.46,8.76 41.71,12.26 45.21,12.26 52.21,12.26 55.71,12.26 59.21,12.26 101.21,12.26 115.21,12.26 46.96,15.76 74.96,15.76 85.46,15.76 20.71,19.26 45.21,19.26 52.21,19.26 59.21,19.26 69.71,19.26 83.71,19.26 87.21,19.26 115.21,19.26 11.96,22.76 15.46,22.76 18.96,22.76 22.46,22.76 25.96,22.76 29.46,22.76 32.96,22.76 39.96,22.76 67.96,22.76 71.46,22.76 74.96,22.76 78.46,22.76 81.96,22.76 106.46,22.76 27.71,26.26 31.21,26.26 45.21,26.26 108.21,26.26 111.71,26.26 115.21,26.26 15.46,29.76 18.96,29.76 22.46,29.76 25.96,29.76 29.46,29.76 39.96,29.76 43.46,29.76 50.46,29.76 53.96,29.76 71.46,29.76 74.96,29.76 81.96,29.76 88.96,29.76 95.96,29.76 80.21,33.26 87.21,33.26 111.71,33.26 115.21,33.26 18.96,36.76 36.46,36.76 50.46,36.76 53.96,36.76 57.46,36.76 64.46,36.76 67.96,36.76 78.46,36.76 81.96,36.76 85.46,36.76 88.96,36.76 95.96,36.76 83.71,40.26 90.71,40.26 97.71,40.26 115.21,40.26 25.96,43.76 39.96,43.76 43.46,43.76 50.46,43.76 113.46,43.76 59.21,47.26 62.71,47.26 66.21,47.26 69.71,47.26 73.21,47.26 76.71,47.26 83.71,47.26 87.21,47.26 11.96,50.76 15.46,50.76 43.46,50.76 50.46,50.76 53.96,50.76 57.46,50.76 64.46,50.76 67.96,50.76 81.96,50.76 85.46,50.76 92.46,50.76 95.96,50.76 106.46,50.76 109.96,50.76 113.46,50.76 22.365,54.107 10.21,54.26 27.71,54.26 41.71,54.26 45.21,54.26 48.71,54.26 52.21,54.26 55.71,54.26 59.21,54.26 62.71,54.26 66.21,54.26 73.21,54.26 76.71,54.26 101.21,54.26 104.71,54.26 108.21,54.26 111.71,54.26 115.21,54.26 39.96,57.76 43.46,57.76 64.46,57.76 92.46,57.76 95.96,57.76 31.21,61.26 38.21,61.26 59.21,61.26 62.71,61.26 66.21,61.26 69.71,61.26 76.71,61.26 90.71,61.26 94.21,61.26 97.71,61.26 104.71,61.26 108.21,61.26 111.71,61.26 4.96,64.76 8.46,64.76 11.96,64.76 15.46,64.76 22.46,64.76 36.46,64.76 39.96,64.76 43.46,64.76 50.46,64.76 53.96,64.76 57.46,64.76 78.46,64.76 81.96,64.76 85.46,64.76 88.96,64.76 92.46,64.76 95.96,64.76 102.96,64.76 106.46,64.76 109.96,64.76 3.21,68.26 6.71,68.26 10.21,68.26 13.71,68.26 17.21,68.26 20.71,68.26 66.21,68.26 73.21,68.26 76.71,68.26 101.21,68.26 11.96,71.76 15.46,71.76 22.46,71.76 25.96,71.76 43.46,71.76 50.46,71.76 53.96,71.76 67.96,71.76 71.46,71.76 95.96,71.76 92.006,74.6 3.21,75.26 10.21,75.26 13.71,75.26 48.71,75.26 52.21,75.26 97.71,75.26 115.21,75.26 1.46,78.76 29.46,78.76 36.46,78.76 39.96,78.76 53.96,78.76 67.96,78.76 71.46,78.76 5.2,80.4 5.2,82.2 25.2,82.2 31.21,82.26 66.21,82.26 73.21,82.26 76.71,82.26 101.21,82.26 115.21,82.26 29.7,84 32.96,85.76 36.46,85.76 39.96,85.76 43.46,85.76 50.46,85.76 53.96,85.76 67.96,85.76 74.96,85.76 92.46,85.76 99.46,85.76 29.8,85.8 45.21,89.26 48.71,89.26 52.21,89.26 59.21,89.26 62.71,89.26 66.21,89.26 83.71,89.26 94.21,89.26 97.71,89.26 101.21,89.26 104.71,89.26 108.21,89.26 115.21,89.26 0.4,90.4 29.46,92.76 39.96,92.76 46.96,92.76 50.46,92.76 53.96,92.76 60.96,92.76 64.46,92.76 67.96,92.76 74.96,92.76 45.2,92.8 0.4,93.4 39.8,95.5 0.5,95.7 3.21,96.26 34.71,96.26 45.21,96.26 48.71,96.26 52.21,96.26 59.21,96.26 62.71,96.26 66.21,96.26 76.71,96.26 80.21,96.26 83.71,96.26 39.8,98.5 1.46,99.76 4.96,99.76 8.46,99.76 29.46,99.76 46.96,99.76 50.46,99.76 39.8,100.6 40.1,103.1 3.21,103.26 10.21,103.26 20.71,103.26 27.71,103.26 31.21,103.26 45.21,103.26 48.71,103.26 52.21,103.26 8.46,106.76 11.96,106.76 15.46,106.76 18.96,106.76 29.46,106.76 32.96,106.76 36.46,106.76 39.96,106.76 43.46,106.76 46.96,106.76 50.46,106.76
In_Curr_ADC: D100.1 R110.1 X110.1B | length 22.3
  L1_Top w0.5: R110.1@36.69,42.6 D100.1@38.6,42.6 42.2,42.6 v1(42.3,42.7) ; v1(42.4,39.65) 44.656,39.65 44.806,39.5 47.65,39.5 47.674,39.476 55.846,39.476 X110.1B@55.87,39.452
  L14_Bot w0.5: v1(42.3,42.7) 42.35,42.65 42.35,39.7 v1(42.4,39.65)
Ind_Curr+: R420.3 U421.8 | length 8.8
  L1_Top w0.5: U421.8@11,3.36 11.05,3.31 11.625,3.31 11.635,3.3 v1(12.5,3.3) ; R420.3@11.85,10 11.95,9.9 v1(12.5,9.9)
  L14_Bot w0.5: v1(12.5,3.3) v1(12.5,9.9)
Ind_Curr-: R420.4 U421.1 | length 8.4
  L1_Top w0.5: v1(14.6,9.9) R420.4@14.6,10 ; v1(14.7,3.4) 14.72,3.38 16.38,3.38 U421.1@16.4,3.36
  L14_Bot w0.5: v1(14.6,9.9) 14.7,9.8 v1(14.7,3.4)
Inductor_Current: R111.2 R506.1 TP600.1 U421.5 X140.7 | length 83.1
  L1_Top w0.4: 11.788,40.455 31.456,40.455
  L1_Top w0.5: v1(1.1,21.7) 4.869,21.7 5.419,21.15 v1(5.5,21.15) ; X140.7@2.4,41.26 10.982,41.26 11.788,40.455 ; v1(5.5,7.2) 5.53,7.17 U421.5@11,7.17 ; 31.456,40.455 31.601,40.6 33.694,40.6 33.794,40.5 R111.2@35.31,40.5
  L14_Bot w0.5: 0.9,40.807 1.123,41.03 ; X140.7@2.17,41.03 X140.7@2.4,41.26 ; v1(5.5,7.2) 5.557,7.257 5.557,9.857 5.7,10 5.7,20.869 5.5,21.069 v1(5.5,21.15) ; v1(35.3,40.5) 35.3,44.96 v1(35.34,45)
  L14_Bot w1: 0.9,40.807 0.75,40.657 0.75,22.05 v1(1.1,21.7)
  L14_Bot w1.5: 1.123,41.03 X140.7@2.17,41.03
Inductor_Current_ADC: D100.2 R111.1 X110.2B | length 21.7
  L1_Top w0.3: v1(45.2,42.5) 45.335,42.5 45.843,41.992 X110.2B@55.87,41.992
  L1_Top w0.5: R111.1@36.69,40.5 36.74,40.55 38.55,40.55 D100.2@38.6,40.6 44.819,40.6 44.911,40.507 45.143,40.507 v1(45.2,40.45) ; v1(45.2,42.5) v1@45.257,42.443 ; X110.2B@55.816,42.046 X110.2B@55.87,41.992
  L14_Bot w0.5: v1(45.2,40.45) v1(45.2,42.5)
Input_Current: R110.2 R634.2 TP630.1 U630.6 X140.6 | length 101.5
  L1_Top w0.5: X140.6@2.4,43.8 v1(8.2,43.8) ; v1(8.2,39.3) 9.706,39.3 10.056,39.65 v1(33.3,39.65) ; v1(33.3,42.6) R110.2@35.31,42.6 ; v1(33.4,59.8) v1(41.8,59.8) ; v1(41.8,74.15) v1(44.4,74.15) ; v1(41.8,80.4) 43.037,80.4 43.102,80.335 U630.6@44.3,80.335 ; v1(41.8,84.4) 45.54,84.4 46.54,85.4 TP630.1@47,85.4
  L14_Bot w0.5: v1(8.2,39.3) v1(8.2,43.8) ; v1(33.3,39.65) 33.3,59.619 33.4,59.719 v1(33.4,59.8) ; v1(41.8,59.8) v1(41.8,74.15) ; v1(41.8,80.4) v1(41.8,84.4) ; v1(44.3,80.4) 44.35,80.35 44.35,74.2 v1(44.4,74.15)